# Altium PCB PCB.PcbDoc (part 1 of 4) (continued)
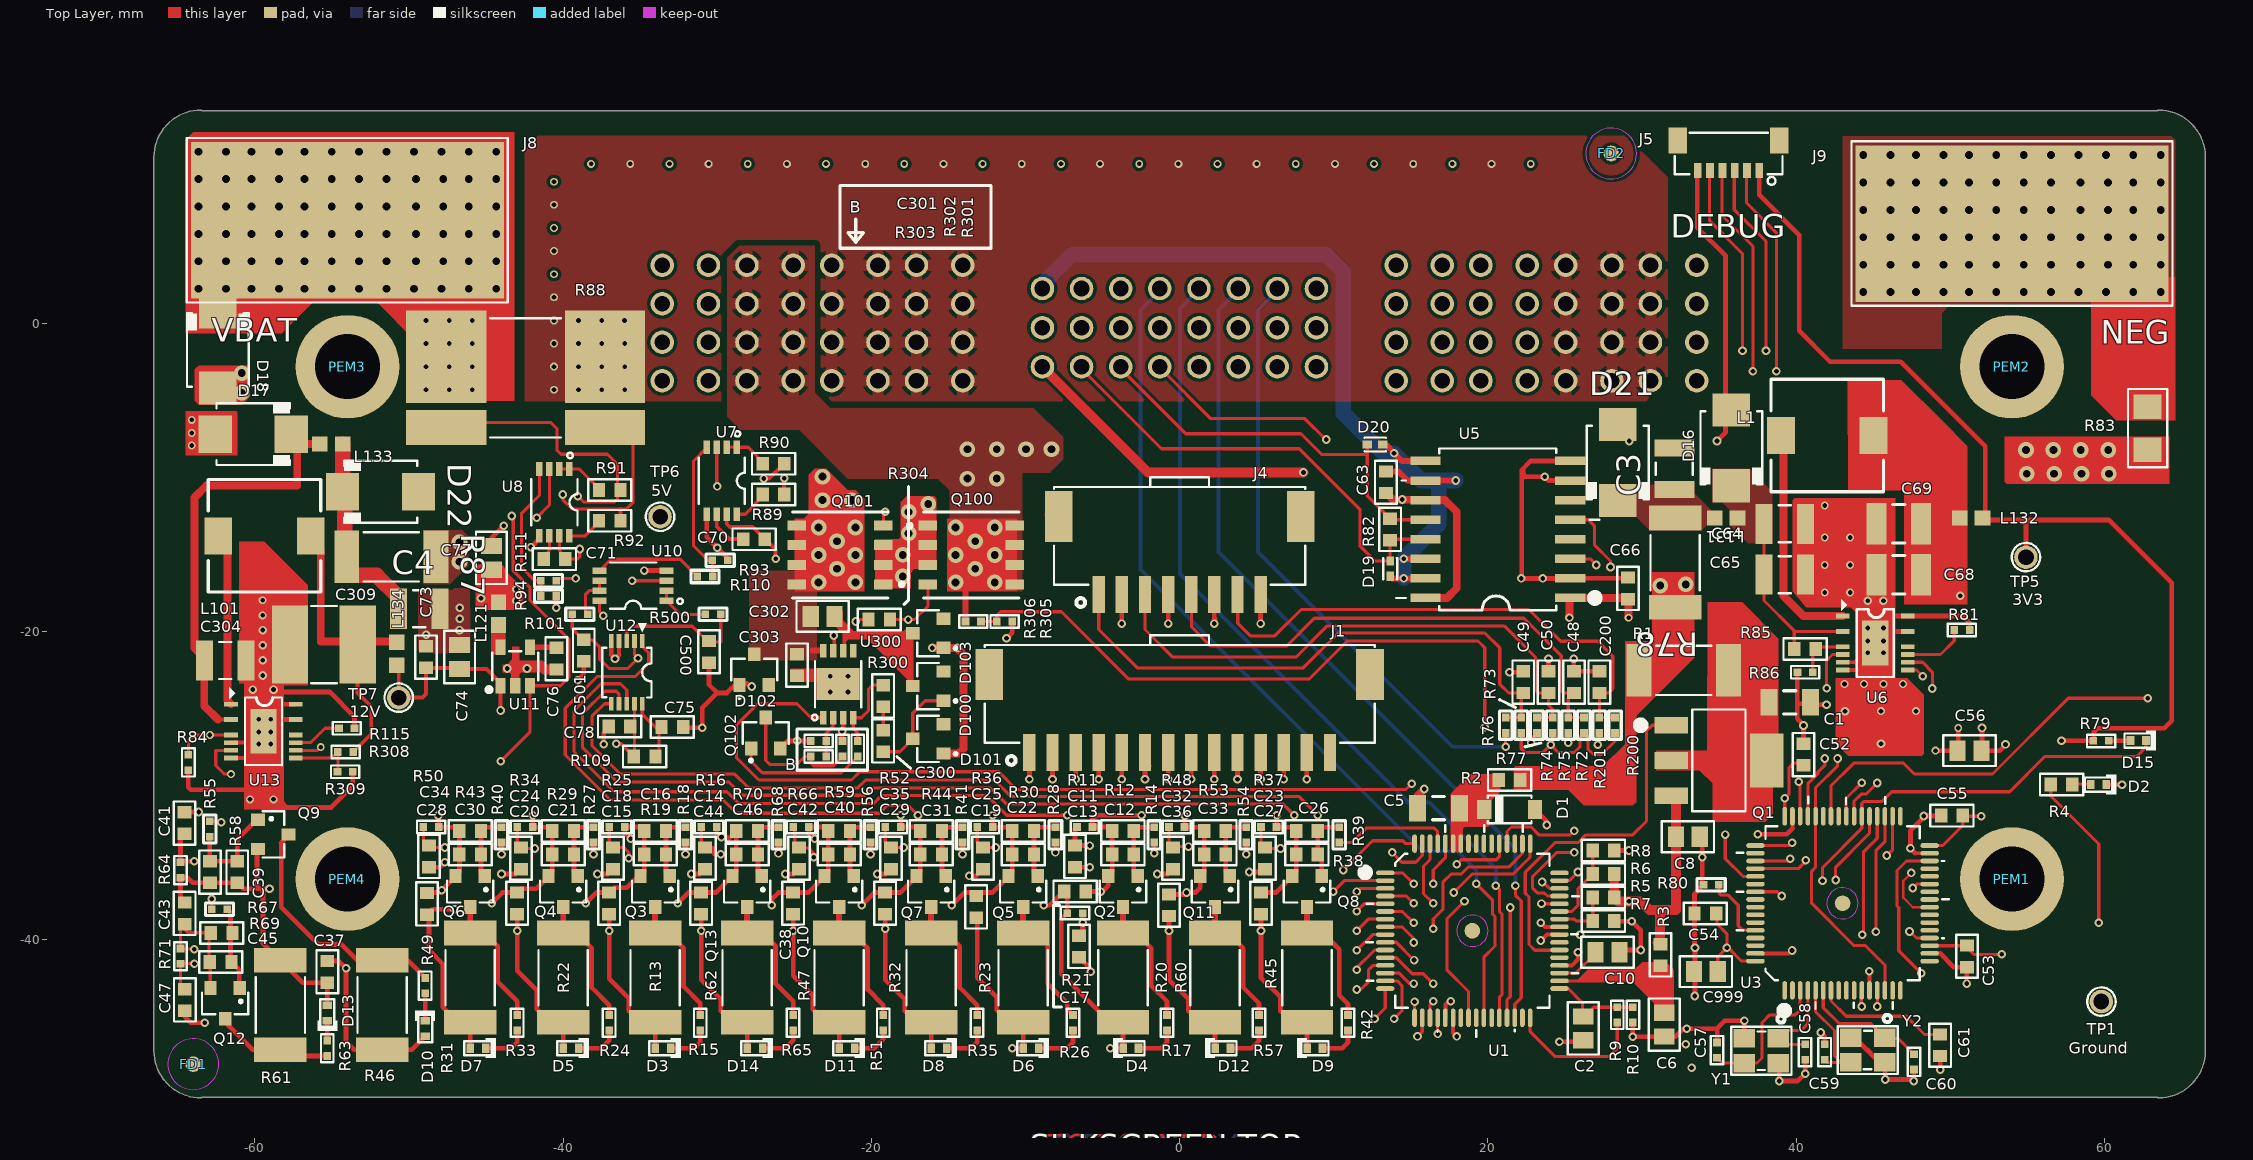
[diagram p0: Top Layer view]
## Design rules (kind name [scope] priority, off if disabled: settings)
BoardOutlineClearance [All] p1: gap=0.254 ignorepadtopadclearanceinfootprint=FALSE except(0: Arc-SplitContinuation Track-SplitContinuation SMDPad-SplitContinuation THPad-SplitContinuation Via-SplitContinuation Fill-SplitContinuation Poly-SplitContinuation Region-SplitContinuation Text-SplitContinuation)
Clearance "Mounting hole" [InPadClass('PEMs')] p1: gap=0.203 ignorepadtopadclearanceinfootprint=TRUE except(0: Arc-Hole Track-Hole SMDPad-Hole THPad-Hole Via-Hole Fill-Hole Poly-Hole Region-Hole Text-Hole; 0.178: SMDPad-SMDPad SMDPad-Via SMDPad-Fill SMDPad-Poly SMDPad-Region SMDPad-Text Fill-Text Poly-Text Region-Text Text-Text; 0.381: Fill-Fill Fill-Poly Fill-Region Poly-Poly Poly-Region Region-Region; 0.7: Arc-THPad Track-THPad SMDPad-THPad THPad-THPad THPad-Via THPad-Fill THPad-Poly THPad-Region THPad-Text) // Ample clearance around holes
Clearance HI_VOL [InNetClass('HI-VOL')] p2: gap=0.4 ignorepadtopadclearanceinfootprint=TRUE except(0.3: Arc-SMDPad Arc-Via Track-SMDPad Track-Via; 0.7: Arc-THPad Arc-Hole Track-THPad Track-Hole THPad-THPad THPad-Via THPad-Fill THPad-Poly THPad-Region THPad-Text THPad-Hole Via-Via Via-Fill Via-Poly Via-Region Via-Text Via-Hole)
Clearance REDUCE_SPACING [WithinRoom('CHG_IN')] p3 off: gap=0.254 ignorepadtopadclearanceinfootprint=FALSE except(0: Arc-Hole Track-Hole SMDPad-Hole THPad-Hole Via-Hole Fill-Hole Poly-Hole Region-Hole Text-Hole)
Clearance "KEEPOUT TO HI-VOL" [IsKeepOut vs InNetClass('HI-VOL')] p4 off: gap=0.3 ignorepadtopadclearanceinfootprint=FALSE except(0: Arc-Hole Track-Hole SMDPad-Hole THPad-Hole Via-Hole Fill-Hole Poly-Hole Region-Hole Text-Hole)
Clearance CLK [InNetClass('CLK')] p5 off: gap=0.2 ignorepadtopadclearanceinfootprint=FALSE except(0: Arc-Hole Track-Hole SMDPad-Hole THPad-Hole Via-Hole Fill-Hole Poly-Hole Region-Hole Text-Hole; 0.193: SMDPad-SMDPad; 0.254: THPad-Poly; 0.381: Track-Track; 0.635: Poly-Poly Poly-Region)
Clearance Standard [All] p6: gap=0.203 ignorepadtopadclearanceinfootprint=TRUE except(0: Arc-Hole Track-Hole SMDPad-Hole THPad-Hole Via-Hole Fill-Hole Poly-Hole Region-Hole Text-Hole; 0.381: Fill-Fill Fill-Poly Fill-Region Poly-Poly Poly-Region Region-Region)
HoleSize [All] p1: absolutevalues=TRUE maxlimit=25.4 minlimit=0.025 maxpercent=80.000 minpercent=20.000
MinimumSolderMaskSliver [All] p1: minsoldermaskwidth=0.076
PolygonConnect P2-P5 [InNet('NEG') vs InPadClass('NEG')] p1: connectstyle=Relief reliefconductorwidth=2.54 reliefentries=4 polygonreliefangle="90 Angle" airgapwidth=0.254
PolygonConnect Thru-pin [IsThruPin] p2: connectstyle=Relief reliefconductorwidth=0.762 reliefentries=4 polygonreliefangle="90 Angle" airgapwidth=0.254
PolygonConnect [All] p3: connectstyle=Direct reliefconductorwidth=0.254 reliefentries=4 polygonreliefangle="90 Angle" airgapwidth=0.254
RoomDefinition "PG14_ POWER CONTROL" [InComponentClass('PG14_ POWER CONTROL')] p1: confinementstyle=ConfineIn formatcopy=TRUE lockcomponents=FALSE outline 66.214,-14.849 179.117,-14.849 179.117,-8.245 66.214,-8.245
RoomDefinition "PG13_ REGS_MANAGER" [InComponentClass('PG13_ REGS_MANAGER')] p2: confinementstyle=ConfineIn formatcopy=TRUE lockcomponents=FALSE outline 66.214,64.018 129.333,64.018 129.333,75.829 66.214,75.829
RoomDefinition "PG09_ TEMP_BALANCER" [InComponentClass('PG09_ TEMP_BALANCER')] p3: confinementstyle=ConfineIn formatcopy=TRUE lockcomponents=FALSE outline 66.214,-5.705 139.239,-5.705 139.239,5.725 66.214,5.725
RoomDefinition PG12_CURRENT_INTEGRATION [InComponentClass('PG12_CURRENT_INTEGRATION')] p4: confinementstyle=ConfineIn formatcopy=TRUE lockcomponents=FALSE outline 66.214,23.886 252.015,23.886 252.015,38.364 66.214,38.364
RoomDefinition "PG10_ MCU" [InComponentClass('PG10_ MCU')] p5: confinementstyle=ConfineIn formatcopy=TRUE lockcomponents=FALSE outline 66.214,4.328 148.764,4.328 148.764,22.616 66.214,22.616
RoomDefinition "PG11_ CAN_CONN" [InComponentClass('PG11_ CAN_CONN')] p6: confinementstyle=ConfineIn formatcopy=TRUE lockcomponents=FALSE outline -680.292,-567.934 -629.492,-567.934 -629.492,-542.534 -680.292,-542.534
RoomDefinition "PG05_ CELLS" [InComponentClass('PG05_ CELLS')] p7: confinementstyle=ConfineIn formatcopy=TRUE lockcomponents=FALSE outline 66.214,-10.912 277.161,-10.912 277.161,-4.562 66.214,-4.562
RoomDefinition "PG04_ BALANCER" [InComponentClass('PG04_ BALANCER')] p8: confinementstyle=ConfineIn formatcopy=TRUE lockcomponents=FALSE outline 66.214,-48.25 128.063,-48.25 128.063,-12.182 66.214,-12.182
RoutingVias [All] p1: holewidth=0.305 width=0.61 viastyle="Through Hole" minholewidth=0.254 minwidth=0.508 maxholewidth=0.508 maxwidth=1.016
SilkToSilkClearance [All] p1: silktosilkclearance=0.003
SilkToSolderMaskClearance [IsPad] p1: minsilkscreentomaskgap=0.003 clearancetoexposedcopper=TRUE
SolderMaskExpansion [All] p1: expansion=0.102 istentingtop=FALSE
UnRoutedNet [All] p1: checkbadconnections=TRUE
ViasUnderSMD [All] p1: allowed=TRUE
Width Width_PWR [InNetClass('PWR')] p1: maxlimit=2.54 minlimit=0.254 preferedwidth=0.508
Width [All] p2: maxlimit=1.27 minlimit=0.152 preferedwidth=0.254
25 further rules are at their usual default settings.

## Classes and differential pairs
component class "PG13_ REGS_MANAGER": C3 C4 C64 C65 C68 C69 C304 C309 D16 D17 D21 D22 L1 L101 L131 L132 L133 L134 R78 R81 R84 R85 R86 R87 R115 R308 R309 TP1 TP5 TP7 U6 U13
component class PG12_CURRENT_INTEGRATION: C70 C71 C73 C74 C75 C76 C77 C78 C500 C501 L121 R88 R89 R90 R91 R92 R93 R94 R101 R109 R110 R111 R500 TP6 U7 U8 U10 U11 U12
component class "PG11_ CAN_CONN": C63 C66 D18 D19 D20 J7 J8 J9 R82 R83 U5
component class "PG10_ MCU": C52 C53 C54 C55 C56 C57 C58 C59 C60 C61 C999 D15 J5 R79 R80 U3 Y1 Y2
component class "PG09_ TEMP_BALANCER": C48 C49 C50 C200 J4 R72 R73 R74 R75 R76 R77 R200 R201
component class "PG05_ CELLS": C11 C12 C13 C14 C15 C16 C17 C18 C19 C20 C21 C22 C23 C24 C25 C26 C27 C28 C29 C30 C31 C32 C33 C34 C35 C36 C37 C38 C39 C40 C41 C42 C43 C44 C45 C46 C47 D3 D4 D5 D6 D7 D8 D9 D10 D11 D12 D13 D14 Q2 Q3 Q4 Q5 Q6 Q7 Q8 Q9 Q10 Q11 Q12 Q13 R11 R12 R13 R14 R15 R16 R17 R18 R19 R20 R21 R22 R23 R24 R25 R26 R27 R28 R29 R30 R31 R32 R33 R34 R35 R36 R37 R38 R39 R40 R41 R42 R43 R44 R45 R46 R47 R48 R49 R50 R51 R52 R53 R54 R55 R56 R57 R58 R59 R60 R61 R62 R63 R64 R65 R66 R67 R68 R69 R70 R71
component class "PG04_ BALANCER": C1 C2 C5 C6 C8 C10 D1 D2 FD1 FD2 J1 PEM1 PEM2 PEM3 PEM4 Q1 R1 R2 R3 R4 R5 R6 R7 R8 R9 R10 U1
component class "PG14_ POWER CONTROL": C300 C301 C302 C303 D100 D101 D102 D103 Q100 Q101 Q102 R300 R301 R302 R303 R304 R305 R306 U300
pad class PEMs: PEM1-0 PEM2-0 PEM3-0 PEM4-0

## Components (designator, comment, footprint, x,y, rotation, side; value= is the part's Value field where it differs from the comment)
C1 "1uF, 100v, 1206" C1206 39.592,-24.611 r0 top
C2 "2.2uF 10V 0805" C0805 26.187,-45.76 r90 top
C3 "4.7uF 100V 1210" C1210 32.1,-9.45 r90 top
C4 "4.7uF 100V 1210" C1210 -49.339,-18.539 r0 top
C5 "1uF, 100v, 1206" C1206 16.792,-31.477 r0 top
C6 "1uf, 25V, 0805" C0805 31.436,-45.526 r270 top
C8 "1uf, 25V, 0805" C0805 32.973,-33.334 r0 top
C10 "1uf, 25V, 0805" C0805 27.753,-40.827 r0 top
C11 ".022uF, 0603, 100V" C0603 -6.791,-34.604 r270 top
C12 "10,000pF, 50V, 0603" C0603 -3.678,-34.477 r0 top
C13 "0.1uF, 50V, 0603" C0603 -6.791,-36.89 r180 top
C14 ".022uF, 0603, 100V" C0603 -30.794,-34.731 r270 top
C15 "0.1uF, 50V, 0603" C0603 -37.017,-37.652 r90 top
C16 "10,000pF, 50V, 0603" C0603 -34.031,-32.953 r180 top
C17 ".022uF, 0603, 100V" C0603 -6.537,-40.446 r270 top
C18 ".022uF, 0603, 100V" C0603 -36.763,-34.731 r270 top
C19 "0.1uF, 50V, 0603" C0603 -13.203,-37.881 r90 top
C20 "0.1uF, 50V, 0603" C0603 -42.986,-37.652 r90 top
C21 "10,000pF, 50V, 0603" C0603 -40,-34.477 r180 top
C22 "10,000pF, 50V, 0603" C0603 -10.155,-34.477 r180 top
C23 ".022uF, 0603, 100V" C0603 5.528,-34.731 r270 top
C24 ".022uF, 0603, 100V" C0603 -42.732,-34.731 r270 top
C25 ".022uF, 0603, 100V" C0603 -12.76,-34.731 r270 top
C26 "10,000pF, 50V, 0603" C0603 8.26,-32.953 r0 top
C27 "0.1uF, 50V, 0603" C0603 5.274,-37.652 r270 top
C28 "0.1uF, 50V, 0603" C0603 -48.831,-37.687 r90 top
C29 "0.1uF, 50V, 0603" C0603 -19.11,-37.652 r90 top
C30 "10,000pF, 50V, 0603" C0603 -46.034,-34.477 r180 top
C31 "10,000pF, 50V, 0603" C0603 -16.124,-34.477 r180 top
C32 ".022uF, 0603, 100V" C0603 -0.441,-34.731 r270 top
C33 "10,000pF, 50V, 0603" C0603 2.291,-34.477 r0 top
C34 ".022uF, 0603, 100V" C0603 -48.701,-34.604 r270 top
C35 ".022uF, 0603, 100V" C0603 -18.729,-34.731 r270 top
C36 "0.1uF, 50V, 0603" C0603 -0.695,-37.779 r270 top
C37 "0.1uF, 50V, 0603" C0603 -55.305,-42.097 r270 top
C38 "0.1uF, 50V, 0603" C0603 -25.079,-37.652 r90 top
C39 "10,000pF, 50V, 0603" C0603 -61.147,-35.62 r270 top
C40 "10,000pF, 50V, 0603" C0603 -22.093,-34.477 r180 top
C41 ".022uF, 0603, 100V" C0603 -64.576,-32.445 r90 top
C42 ".022uF, 0603, 100V" C0603 -24.698,-34.731 r270 top
C43 "0.1uF, 50V, 0603" C0603 -64.558,-38.304 r270 top
C44 "0.1uF, 50V, 0603" C0603 -31.048,-37.652 r90 top
C45 "10,000pF, 50V, 0603" C0603 -62.225,-41.462 r180 top
C46 "10,000pF, 50V, 0603" C0603 -28.062,-34.477 r180 top
C47 ".022uF, 0603, 100V" C0603 -64.551,-43.924 r270 top
C48 "10,000pF, 50V, 0603" C0603 25.578,-23.301 r90 top
C49 "10,000pF, 50V, 0603" C0603 22.292,-23.301 r90 top
C50 "10,000pF, 50V, 0603" C0603 23.927,-23.301 r90 top
C52 "0.1uF, 50V, 0603" C0603 40.481,-28 r90 top
C53 "0.1uF, 50V, 0603" C0603 51.078,-41.09 r270 top
C54 "0.1uF, 50V, 0603" C0603 34.108,-38.304 r180 top
C55 "0.1uF, 50V, 0603" C0603 50.11,-31.962 r180 top
C56 "4.7uF, 16V, 0603" C0805 51.248,-27.746 r0 top
C57 "8PF, 0402" C0402 34.865,-47.177 r90 top
C58 "8PF, 0402" C0402 40.58,-47.304 r270 top
C59 "8PF, 0402" C0402 41.85,-47.304 r90 top
C60 "8PF, 0402" C0402 47.643,-47.939 r270 top
C61 "100pf, 50V, 0603" C0603 49.343,-46.861 r90 top
C63 "0.1uF, 50V, 0603" C0603 13.376,-10.33 r90 top
C64 "4.7uF 100V 1210" C1210 39.26,-13.03 r0 top
C65 "4.7uF 100V 1210" C1210 39.26,-16.33 r0 top
C66 "0.1uF, 50V, 0603" C0603 29.083,-17.216 r90 top
C68 "47uf, 6.3V, 1210" C1210_N 46.656,-16.33 r180 top
C69 "47uf, 6.3V, 1210" C1210_N 46.662,-13.03 r180 top
C70 "100n, 100V, 0603" C0603 -27.619,-14.03 r0 top
C71 "100n, 100V, 0603" C0603 -40.569,-15.321 r0 top
C73 "10,000pF, 50V, 0603" C0603 -48.895,-21.675 r270 top
C74 "1uf, 25V, 0805" C0805 -46.718,-21.666 r270 top
C75 "10,000pF, 50V, 0603" C0603 -32.919,-26.206 r180 top
C76 "10,000pF, 50V, 0603" C0603 -40.446,-21.777 r90 top
C77 "2.2uF 10V 0805" C0805 -44.655,-15.234 r270 top
C78 "10,000pF, 50V, 0603" C0603 -36.338,-26.184 r0 top
C200 "10,000pF, 50V, 0603" C0603 27.229,-23.301 r90 top
C300 "10,000pF, 50V, 0603" C0603 -19.237,-27.115 r90 top
C301 "4700pf, 50V, 0402" C0402 -23.428,-27.115 r180 top
C302 "0.33uf, 50V, 0805" C0805 -23.164,-19.039 r180 top
C303 "3300PF, 100V, 0603" C0603 -24.825,-22.19 r270 top
C304 "4.7uF 100V 1210" C1210 -61.934,-21.897 r0 top
C309 "22UF, 25V, 2220" C2220 -55.533,-20.863 r180 top
C500 "0.1uF, 50V, 0603" C0603 -30.54,-21.333 r270 top
C501 "0.1uF, 50V, 0603" C0603 -38.668,-21.247 r270 top
C999 "1uf, 25V, 0805" C0805 34.141,-42.083 r180 top
D1 "60V 500 mW" SOD-123 21.403,-31.556 r270 top
D2 "SML-P12MTT86R, 0402" D0402 59.622,-29.949 r180 top
D3 "SML-P12MTT86R, 0402" D0402 -33.523,-47.05 r180 top
D4 "SML-P12MTT86R, 0402" D0402 -3.17,-47.05 r0 top
D5 "SML-P12MTT86R, 0402" D0402 -39.492,-47.05 r180 top
D6 "SML-P12MTT86R, 0402" D0402 -9.647,-47.05 r180 top
D7 "SML-P12MTT86R, 0402" D0402 -45.526,-47.05 r180 top
D8 "SML-P12MTT86R, 0402" D0402 -15.616,-47.05 r180 top
D9 "SML-P12MTT86R, 0402" D0402 8.768,-47.05 r0 top
D10 "SML-P12MTT86R, 0402" D0402 -48.955,-45.78 r270 top
D11 "SML-P12MTT86R, 0402" D0402 -21.585,-47.05 r180 top
D12 "SML-P12MTT86R, 0402" D0402 2.799,-47.05 r0 top
D13 "SML-P12MTT86R, 0402" D0402 -55.305,-44.764 r90 top
D14 "SML-P12MTT86R, 0402" D0402 -27.554,-47.05 r180 top
D15 "SML-P12UTT86R, 0402" D0402_1 62.193,-27.091 r180 top
D16 "SMBJ48A" DO-214AA 35.8,-8.1 r90 top
D17 "SMBJ48A" DO-214AA -60.113,-7.209 r180 top
D18 "SMBJ60A" DO-214AA -62.402,-1.75 r270 top
D19 "TPD1E10B09DPYR" 2X2SON 13.656,-15.935 r90 top
D20 "TPD1E10B09DPYR" 2X2SON 12.674,-7.883 r180 top
D21 "SMBJ60A" DO-214AA 28.425,-9.05 r90 top
D22 "SMBJ60A" DO-214AA -51.85,-10.95 r0 top
D100 "BAS21" BAS21 -16.316,-23.555 r90 top
D101 "BAS21" BAS21 -16.316,-26.984 r90 top
D102 "BAS21" BAS21 -27.605,-22.488 r0 top
D103 "BZX84C12LT1G" SOT23-3 -16.316,-20.13 r90 top
FD1 "FIDUCIAL_REF" FIDUCIAL_REFDES -64,-48.083 r0 top
FD2 "FIDUCIAL_REF" FIDUCIAL_REFDES 28,11 r0 top
J1 "1.5mm CLIK-MATE 502584-1460" CONN14_1p5mm_SM 0,-25.333 r180 top
J4 "1.5mm CLIK-MATE 502584-1460" CONN8_1P5MM_SM 0,-15.086 r180 top
J5 "SM06B-SURS-TF(LF)(SN)" 0.8mm 35.615,10.873 r180 top
J7 "ET60S-D04-3-08-D04-L-V1-S" ET60S-D04-3-08-D04-L-V1-S -0.016,0 r180 bottom
J8 "12GSOLDER" 12GPAD -54,6.67 r90 top
J9 "12GSOLDER" 12GPAD 54,6.45 r90 top
L1 "100 uh, 650 mA" IND_SRR7045 42.011,-7.295 r0 top
L101 "100 uh, 650 mA" IND_SRR7045 -59.378,-13.809 r0 top
L121 "BLM18AG601SN1D" INDC1608X10N -44.2,-18.85 r90 top
L131 "BLM18AG601SN1D" INDC1608X10N 35.45,-12.65 r0 top
L132 "BLM18AG601SN1D" INDC1608X10N 51.35,-12.65 r0 top
L133 "BLM18AG601SN1D" INDC1608X10N -55.051,-7.85 r180 top
L134 "BLM18AG601SN1D" INDC1608X10N -50.802,-21.46 r270 top
PEM1 "PEM SMTSO-M3-2ET" SMTSO-M3-2ET 54,-36.083 r0 top
PEM2 "PEM SMTSO-M3-2ET" SMTSO-M3-2ET 54,-2.833 r0 top
PEM3 "PEM SMTSO-M3-2ET" SMTSO-M3-2ET -54,-2.833 r0 top
PEM4 "PEM SMTSO-M3-2ET" SMTSO-M3-2ET -54,-36.083 r0 top
Q1 "SBCP56-16T1" SOT-223 34.992,-28.381 r270 top
Q2 "NVR5124PLT1G" SOT-23 -3.678,-36.89 r180 top
Q3 "NDS7002A" SOT-23 -34.031,-36.89 r180 top
Q4 "NDS7002A" SOT-23 -40,-36.89 r180 top
Q5 "NDS7002A" SOT-23 -10.155,-36.89 r180 top
Q6 "NDS7002A" SOT-23 -46.034,-36.89 r180 top
Q7 "NDS7002A" SOT-23 -16.124,-36.89 r180 top
Q8 "NVR5124PLT1G" SOT-23 8.26,-36.89 r180 top
Q9 "NDS7002A" SOT-23 -58.812,-33.182 r270 top
Q10 "NDS7002A" SOT-23 -22.093,-36.89 r180 top
Q11 "NVR5124PLT1G" SOT-23 2.291,-36.89 r180 top
Q12 "NDS7002A" SOT-23 -61.934,-44.139 r180 top
Q13 "NDS7002A" SOT-23 -28.062,-36.89 r180 top
Q100 "BSC030N08NS5ATMA1" 8TDSON -13.522,-15.05 r0 top
Q101 "BSC030N08NS5ATMA1" 8TDSON -22.031,-15.05 r180 top
Q102 "MMBT2369" SOT-23-3 -26.857,-26.607 r0 top
R1 "100 ohm, 1W, 2512" 2512 32.706,-22.539 r180 top
R2 "33R, 0603" R0603 21.403,-29.651 r180 top
R3 "33R, 0603" R0603 31.19,-41 r90 top
R4 "200R, 0603" R0603 57.217,-29.949 r180 top
R5 "DNP 0R, 0603" R0603 27.499,-37.271 r180 top
R6 "0R, 0603" R0603 27.499,-35.747 r180 top
R7 "0R, 0603" R0603 27.499,-38.795 r0 top
R8 "DNP 0R, 0603" R0603 27.499,-34.223 r0 top
R9 "DNP" R0402 28.388,-44.891 r270 top
R10 "DNP" R0402 29.404,-44.891 r90 top
R11 "1k, 0402" R0402 -6.156,-32.699 r180 top
R12 "330k, 0603" R0603 -3.678,-32.953 r0 top
R13 "42.2 OHM 1% 1.5W 2512" 2512 -34.031,-42.478 r270 top
R14 "10k, 0402" R0402 -1.646,-33.207 r270 top
R15 "1k, 0402" R0402 -31.11,-45.399 r90 top
R16 "1k, 0402" R0402 -30.54,-32.699 r180 top
R17 "1k, 0402" R0402 -0.822,-45.399 r90 top
R18 "10k, 0402" R0402 -32.064,-33.207 r270 top
R19 "330k, 0603" R0603 -34.031,-34.477 r180 top
R20 "42.2 OHM 1% 1.5W 2512" 2512 -3.678,-42.478 r90 top
R21 "1k, 0402" R0402 -6.791,-38.287 r0 top
R22 "42.2 OHM 1% 1.5W 2512" 2512 -40,-42.478 r270 top
R23 "42.2 OHM 1% 1.5W 2512" 2512 -10.155,-42.478 r270 top
R24 "1k, 0402" R0402 -37.017,-45.399 r90 top
R25 "1k, 0402" R0402 -36.509,-32.699 r180 top
R26 "1k, 0402" R0402 -6.918,-45.399 r90 top
R27 "10k, 0402" R0402 -38.033,-33.207 r270 top
R28 "10k, 0402" R0402 -8.061,-33.207 r270 top
R29 "330k, 0603" R0603 -40,-32.953 r180 top
R30 "330k, 0603" R0603 -10.155,-32.953 r180 top
R31 "42.2 OHM 1% 1.5W 2512" 2512 -46.034,-42.478 r270 top
R32 "42.2 OHM 1% 1.5W 2512" 2512 -16.124,-42.478 r270 top
R33 "1k, 0402" R0402 -42.986,-45.399 r90 top
R34 "1k, 0402" R0402 -42.478,-32.699 r180 top
R35 "1k, 0402" R0402 -13.141,-45.399 r90 top
R36 "1k, 0402" R0402 -12.633,-32.699 r180 top
R37 "1k, 0402" R0402 5.782,-32.699 r180 top
R38 "330k, 0603" R0603 8.26,-34.477 r0 top
R39 "10k, 0402" R0402 10.354,-33.207 r270 top
R40 "10k, 0402" R0402 -44.002,-33.207 r270 top
R41 "10k, 0402" R0402 -14.092,-33.207 r270 top
R42 "1k, 0402" R0402 10.927,-45.399 r90 top
R43 "330k, 0603" R0603 -46.034,-32.953 r180 top
R44 "330k, 0603" R0603 -16.124,-32.953 r180 top
R45 "42.2 OHM 1% 1.5W 2512" 2512 8.26,-42.478 r90 top
R46 "42.2 OHM 1% 1.5W 2512" 2512 -51.749,-44.256 r270 top
R47 "42.2 OHM 1% 1.5W 2512" 2512 -22.093,-42.478 r270 top
R48 "1k, 0402" R0402 -0.187,-32.699 r180 top
R49 "1k, 0402" R0402 -48.955,-42.994 r90 top
R50 "1k, 0402" R0402 -48.574,-32.699 r180 top
R51 "1k, 0402" R0402 -19.237,-45.399 r90 top
R52 "1k, 0402" R0402 -18.602,-32.699 r180 top
R53 "330k, 0603" R0603 2.291,-32.953 r0 top
R54 "10k, 0402" R0402 4.323,-33.207 r270 top
R55 "10k, 0402" R0402 -62.925,-32.826 r90 top
R56 "10k, 0402" R0402 -20.061,-33.207 r270 top
R57 "1k, 0402" R0402 5.147,-45.399 r90 top
R58 "330k, 0603" R0603 -62.925,-35.62 r270 top
R59 "330k, 0603" R0603 -22.093,-32.953 r180 top
R60 "42.2 OHM 1% 1.5W 2512" 2512 2.291,-42.478 r90 top
R61 "42.2 OHM 1% 1.5W 2512" 2512 -58.353,-44.256 r90 top
R62 "42.2 OHM 1% 1.5W 2512" 2512 -28.062,-42.478 r270 top
R63 "1k, 0402" R0402 -55.305,-47.058 r270 top
R64 "1k, 0402" R0402 -64.83,-35.493 r90 top
R65 "1k, 0402" R0402 -25.079,-45.399 r90 top
R66 "1k, 0402" R0402 -24.571,-32.699 r180 top
R67 "10k, 0402" R0402 -62.298,-38.033 r180 top
R68 "10k, 0402" R0402 -26.03,-33.207 r270 top
R69 "330k, 0603" R0603 -62.16,-39.581 r180 top
R70 "330k, 0603" R0603 -28.062,-32.953 r180 top
R71 "1k, 0402" R0402 -64.83,-41.081 r270 top
R72 "10k, 0402" R0402 26.229,-26.095 r270 top
R73 "10k, 0402" R0402 22.165,-26.095 r270 top
R74 "10k, 0402" R0402 24.197,-26.095 r270 top
R75 "10k, 0402" R0402 25.213,-26.095 r270 top
R76 "10k, 0402" R0402 21.149,-26.095 r270 top
R77 "10k, 0402" R0402 23.181,-26.095 r270 top
R78 "0.5 OHM 1% 1.5W 2512" 2512 32.15,-15.55 r270 top
R79 "1k, 0402" R0402 59.783,-27.111 r0 top
R80 "10k, 0402" R0402 34.484,-36.447 r180 top
R81 "40.2k, 0402" R0402 50.758,-19.917 r0 top
R82 "DNP 120 ohm, 0603" R0603 13.656,-13.395 r90 top
R83 "0R, 1206" R1206 62.803,-6.824 r90 top
R84 "100k, 0402" R0402 -64.322,-28.508 r270 top
R85 "330k, 0603" R0603 40.58,-21.142 r0 top
R86 "15k, 0402" R0402 40.58,-22.662 r180 top
R87 "0.5 OHM 1% 1.5W 2512" 2512 -51.15,-15.173 r0 top
R88 "WSL2512R0700FEA" R5931 -42.44,-3.555 r0 top
R89 "60.4, 0603" R0603 -26.347,-11.13 r0 top
R90 "60.4, 0603" R0603 -26.347,-9.13 r0 top
R91 "60.4, 0603" R0603 -36.98,-10.83 r0 top
R92 "60.4, 0603" R0603 -36.98,-12.83 r0 top
R93 "10k, 0402" R0402 -29.819,-15.383 r0 top
R94 "10k, 0402" R0402 -40.954,-17.713 r0 top
R101 "10k, 0402" R0402 -38.916,-18.895 r180 top
R109 "FERRITE BEAD 0603" R0603 -34.716,-28.122 r180 top
R110 "10k, 0402" R0402 -30.794,-16.443 r0 top
R111 "10k, 0402" R0402 -40.95,-16.718 r0 top
R115 "40.2k, 0402" R0402 -54.043,-26.29 r0 top
R200 "10k, 0402" R0402 28.245,-26.095 r270 top
R201 "10k, 0402" R0402 27.229,-26.095 r270 top
R300 "200R, 0603" R0603 -19.237,-24.194 r90 top
R301 "100k, 0402" R0402 -20.888,-27.623 r270 top
R302 "15k, 0402" R0402 -21.878,-27.623 r270 top
R303 "4.7k, 0402" R0402 -23.428,-28.131 r0 top
R304 "33R, 0603" R0603 -19.491,-19.241 r0 top
R305 "DNP 6.98k," R0402 -11.363,-19.364 r180 top value=6.98k
R306 "DNP, 100k, 0402" R0402 -13.395,-19.364 r180 top
R308 "200k, 0402" R0402 -54.122,-27.835 r180 top
R309 "147K,  0402" R0402 -54.148,-29.118 r0 top
R500 "10k, 0402" R0402 -30.278,-18.895 r0 top
TP1 "Test_point" TP 59.805,-44.026 r0 top
TP5 "Test_point" TP 54.911,-15.189 r90 top
TP6 "Test_point" TP -33.712,-12.57 r0 top
TP7 "Test_point" TP -50.671,-24.307 r0 top
U1 "ISL94212INZ" TQFP-64 18.99,-39.43 r0 top locked
U3 "STM32F302R8T6" 64LQFP 43.009,-37.652 r90 top
U5 "TJA1052I" 16-SOIC 20.641,-13.395 r90 top
U6 "LTC3630A" LTC3630A 45.127,-20.761 r270 top
U7 "LTC6102HVHMS8" 8MSOP -29.711,-10.234 r270 top
U8 "LTC6102HVHMS8" 8MSOP -40.569,-11.638 r270 top
U10 "LTC6078" 8MSOP -35.467,-17.038 r180 top
U11 "AP2210" SOT23-5 -43.113,-22.285 r0 top
U12 "LTC1865LIMS" 10-MSOP -35.874,-22.67 r270 top
U13 "LTC3630A" LTC3630A -59.448,-26.478 r270 top
U300 "LTC4446IMS8E#PBF" 8-MSOP -22.158,-23.432 r90 top
Y1 "CRYSTAL 24.0000MHZ" CRYSTAL_NX3225SA 37.743,-47.215 r180 top
Y2 "CRYSTAL 24.0000MHZ" CRYSTAL_NX3225SA 44.644,-47.177 r180 top
